# KiCad board badge.kicad_pcb
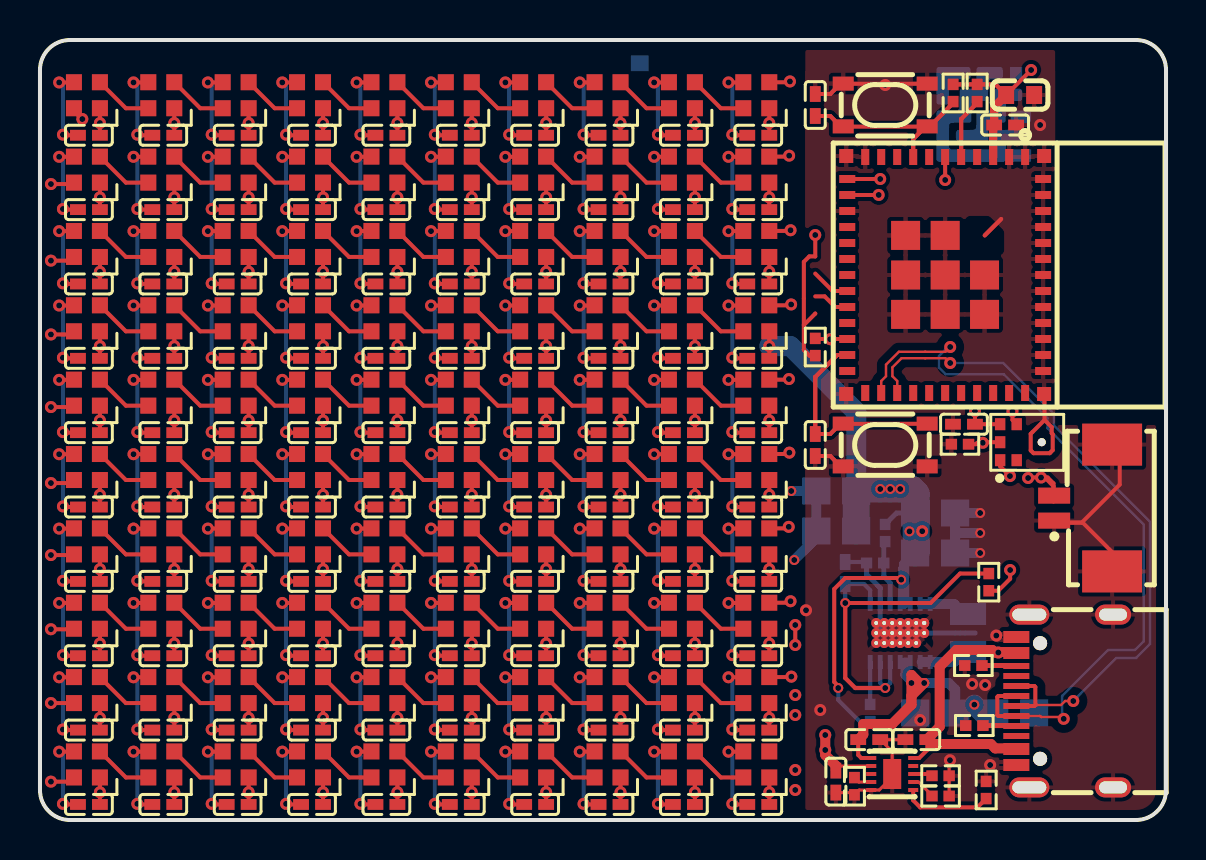
[diagram p0: board, top side]
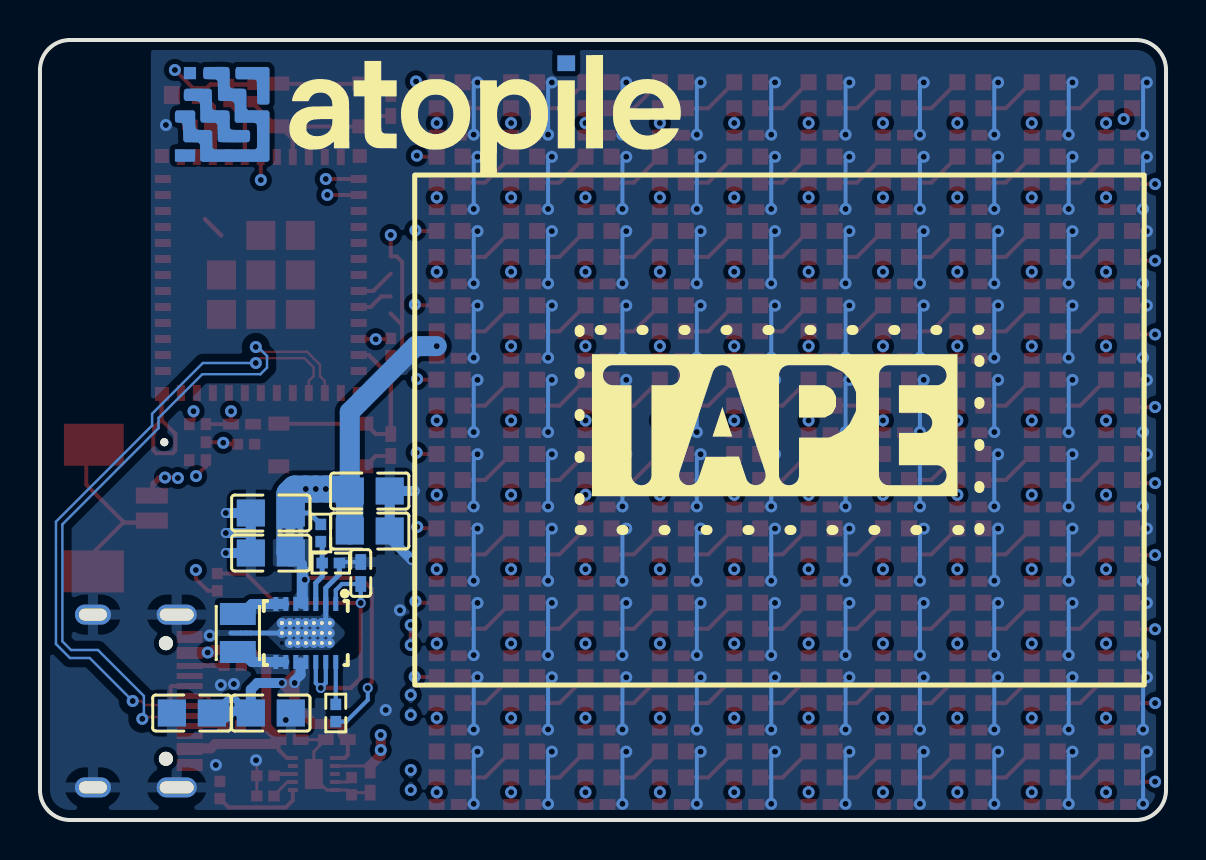
[diagram p1: board, bottom side, seen from below]

Outline 56.34 x 39 mm; copper layers: Top, In1.Cu, In2.Cu, Bottom. Coordinates in mm from the lower left corner of the outline.
Outline path: 0,37.5 arc(0.44,38.56) 1.5,39 54.84,39 arc(55.9,38.56) 56.34,37.5 56.34,1.5 arc(55.9,0.44) 54.84,0 1.5,0 arc(0.44,0.44) 0,1.5 0,37.5
Stack: Top 0.035mm / dielectric 0.1mm FR4 er 4.5 / In1.Cu 0.035mm / dielectric 1.24mm FR4 er 4.5 / In2.Cu 0.035mm / dielectric 0.1mm FR4 er 4.5 / Bottom 0.035mm

## Placement (name value [footprint] x y rotation side)
B1  -  [EEMB_BATTERY_LP402535]  19.34 19.5 270 bottom
C1  10µF ±10% 25V X5R  [C0805]  48.74 5.35 0 bottom
C2  10µF ±10% 25V X5R  [C0805]  44.79 5.35 180 bottom
C3  22µF ±20% 6.3V X5R  [C0805]  39.84 14.45 180 bottom
C4  22µF ±20% 6.3V X5R  [C0805]  39.84 16.45 180 bottom
C5  100nF ±10% 16V X7R  [C0402]  2.45 34.24 180 top
C6  100nF ±10% 16V X7R  [C0402]  6.17 34.24 180 top
C7  100nF ±10% 16V X7R  [C0402]  9.89 34.24 180 top
C8  100nF ±10% 16V X7R  [C0402]  13.61 34.24 180 top
C9  100nF ±10% 16V X7R  [C0402]  17.33 34.24 180 top
C10  100nF ±10% 16V X7R  [C0402]  21.05 34.24 180 top
C11  100nF ±10% 16V X7R  [C0402]  24.78 34.24 180 top
C12  100nF ±10% 16V X7R  [C0402]  28.5 34.24 180 top
C13  100nF ±10% 16V X7R  [C0402]  32.22 34.24 180 top
C14  100nF ±10% 16V X7R  [C0402]  35.94 34.24 180 top
C15  100nF ±10% 16V X7R  [C0402]  2.45 30.52 180 top
C16  100nF ±10% 16V X7R  [C0402]  6.17 30.52 180 top
C17  100nF ±10% 16V X7R  [C0402]  9.89 30.52 180 top
C18  100nF ±10% 16V X7R  [C0402]  13.61 30.52 180 top
C19  100nF ±10% 16V X7R  [C0402]  17.33 30.52 180 top
C20  100nF ±10% 16V X7R  [C0402]  21.05 30.52 180 top
C21  100nF ±10% 16V X7R  [C0402]  24.78 30.52 180 top
C22  100nF ±10% 16V X7R  [C0402]  28.5 30.52 180 top
C23  100nF ±10% 16V X7R  [C0402]  32.22 30.52 180 top
C24  100nF ±10% 16V X7R  [C0402]  35.94 30.52 180 top
C25  100nF ±10% 16V X7R  [C0402]  2.45 26.8 180 top
C26  100nF ±10% 16V X7R  [C0402]  6.17 26.8 180 top
C27  100nF ±10% 16V X7R  [C0402]  9.89 26.8 180 top
C28  100nF ±10% 16V X7R  [C0402]  13.61 26.8 180 top
C29  100nF ±10% 16V X7R  [C0402]  17.33 26.8 180 top
C30  100nF ±10% 16V X7R  [C0402]  21.05 26.8 180 top
C31  100nF ±10% 16V X7R  [C0402]  24.78 26.8 180 top
C32  100nF ±10% 16V X7R  [C0402]  28.5 26.8 180 top
C33  100nF ±10% 16V X7R  [C0402]  32.22 26.8 180 top
C34  100nF ±10% 16V X7R  [C0402]  35.94 26.8 180 top
C35  100nF ±10% 16V X7R  [C0402]  2.45 23.08 180 top
C36  100nF ±10% 16V X7R  [C0402]  6.17 23.08 180 top
C37  100nF ±10% 16V X7R  [C0402]  9.89 23.08 180 top
C38  100nF ±10% 16V X7R  [C0402]  13.61 23.08 180 top
C39  100nF ±10% 16V X7R  [C0402]  17.33 23.08 180 top
C40  100nF ±10% 16V X7R  [C0402]  21.05 23.08 180 top
C41  100nF ±10% 16V X7R  [C0402]  24.78 23.08 180 top
C42  100nF ±10% 16V X7R  [C0402]  28.5 23.08 180 top
C43  100nF ±10% 16V X7R  [C0402]  32.22 23.08 180 top
C44  100nF ±10% 16V X7R  [C0402]  35.94 23.08 180 top
C45  100nF ±10% 16V X7R  [C0402]  2.45 19.37 180 top
C46  100nF ±10% 16V X7R  [C0402]  6.17 19.37 180 top
C47  100nF ±10% 16V X7R  [C0402]  9.89 19.37 180 top
C48  100nF ±10% 16V X7R  [C0402]  13.61 19.37 180 top
C49  100nF ±10% 16V X7R  [C0402]  17.33 19.37 180 top
C50  100nF ±10% 16V X7R  [C0402]  21.05 19.37 180 top
C51  100nF ±10% 16V X7R  [C0402]  24.78 19.37 180 top
C52  100nF ±10% 16V X7R  [C0402]  28.5 19.37 180 top
C53  100nF ±10% 16V X7R  [C0402]  32.22 19.37 180 top
C54  100nF ±10% 16V X7R  [C0402]  35.94 19.37 180 top
C55  100nF ±10% 16V X7R  [C0402]  2.45 15.65 180 top
C56  100nF ±10% 16V X7R  [C0402]  6.17 15.65 180 top
C57  100nF ±10% 16V X7R  [C0402]  9.89 15.65 180 top
C58  100nF ±10% 16V X7R  [C0402]  13.61 15.65 180 top
C59  100nF ±10% 16V X7R  [C0402]  17.33 15.65 180 top
C60  100nF ±10% 16V X7R  [C0402]  21.05 15.65 180 top
C61  100nF ±10% 16V X7R  [C0402]  24.78 15.65 180 top
C62  100nF ±10% 16V X7R  [C0402]  28.5 15.65 180 top
C63  100nF ±10% 16V X7R  [C0402]  32.22 15.65 180 top
C64  100nF ±10% 16V X7R  [C0402]  35.94 15.65 180 top
C65  100nF ±10% 16V X7R  [C0402]  2.45 11.93 180 top
C66  100nF ±10% 16V X7R  [C0402]  6.17 11.93 180 top
C67  100nF ±10% 16V X7R  [C0402]  9.89 11.93 180 top
C68  100nF ±10% 16V X7R  [C0402]  13.61 11.93 180 top
C69  100nF ±10% 16V X7R  [C0402]  17.33 11.93 180 top
C70  100nF ±10% 16V X7R  [C0402]  21.05 11.93 180 top
C71  100nF ±10% 16V X7R  [C0402]  24.78 11.93 180 top
C72  100nF ±10% 16V X7R  [C0402]  28.5 11.93 180 top
C73  100nF ±10% 16V X7R  [C0402]  32.22 11.93 180 top
C74  100nF ±10% 16V X7R  [C0402]  35.94 11.93 180 top
C75  100nF ±10% 16V X7R  [C0402]  2.45 8.21 180 top
C76  100nF ±10% 16V X7R  [C0402]  6.17 8.21 180 top
C77  100nF ±10% 16V X7R  [C0402]  9.89 8.21 180 top
C78  100nF ±10% 16V X7R  [C0402]  13.61 8.21 180 top
C79  100nF ±10% 16V X7R  [C0402]  17.33 8.21 180 top
C80  100nF ±10% 16V X7R  [C0402]  21.05 8.21 180 top
C81  100nF ±10% 16V X7R  [C0402]  24.78 8.21 180 top
C82  100nF ±10% 16V X7R  [C0402]  28.5 8.21 180 top
C83  100nF ±10% 16V X7R  [C0402]  32.22 8.21 180 top
C84  100nF ±10% 16V X7R  [C0402]  35.94 8.21 180 top
C85  100nF ±10% 16V X7R  [C0402]  2.45 4.5 180 top
C86  100nF ±10% 16V X7R  [C0402]  6.17 4.5 180 top
C87  100nF ±10% 16V X7R  [C0402]  9.89 4.5 180 top
C88  100nF ±10% 16V X7R  [C0402]  13.61 4.5 180 top
C89  100nF ±10% 16V X7R  [C0402]  17.33 4.5 180 top
C90  100nF ±10% 16V X7R  [C0402]  21.05 4.5 180 top
C91  100nF ±10% 16V X7R  [C0402]  24.78 4.5 180 top
C92  100nF ±10% 16V X7R  [C0402]  28.5 4.5 180 top
C93  100nF ±10% 16V X7R  [C0402]  32.22 4.5 180 top
C94  100nF ±10% 16V X7R  [C0402]  35.94 4.5 180 top
C95  100nF ±10% 16V X7R  [C0402]  2.45 0.78 180 top
C96  100nF ±10% 16V X7R  [C0402]  6.17 0.78 180 top
C97  100nF ±10% 16V X7R  [C0402]  9.89 0.78 180 top
C98  100nF ±10% 16V X7R  [C0402]  13.61 0.78 180 top
C99  100nF ±10% 16V X7R  [C0402]  17.33 0.78 180 top
C100  100nF ±10% 16V X7R  [C0402]  21.05 0.78 180 top
C101  100nF ±10% 16V X7R  [C0402]  24.78 0.78 180 top
C102  100nF ±10% 16V X7R  [C0402]  28.5 0.78 180 top
C103  100nF ±10% 16V X7R  [C0402]  32.22 0.78 180 top
C104  100nF ±10% 16V X7R  [C0402]  35.94 0.78 180 top
C105  100nF ±10% 16V X7R  [C0402]  46.23 19.79 180 top
C106  100nF ±10% 16V X7R  [C0402]  38.79 18.75 90 top
C107  100nF ±10% 16V X7R  [C0402]  38.79 35.75 270 top
C108  22µF ±20% 6.3V X5R  [C0603]  49.04 36.25 0 top
C109  100nF ±10% 16V X7R  [C0402]  48.29 34.75 0 top
C110  22µF ±20% 6.3V X5R  [C0805]  44.79 15.35 0 bottom
C111  22µF ±20% 6.3V X5R  [C0805]  44.79 13.35 0 bottom
C112  100nF ±10% 16V X7R  [C0402]  40.29 12.35 90 bottom
C113  1µF ±10% 25V X5R  [C0402]  39.82 1.92 270 top
C114  1µF ±10% 25V X5R  [C0402]  43.85 4.02 180 top
C115  10µF ±20% 6.3V X5R  [C0402]  41.49 4.02 0 top
L1  -  [IND-SMD_L2.5-W2.0_WPN252012H]  46.44 9.35 90 bottom
LED1  -  [LED-SMD_4P-L2.0-W2.0-BR]  2.35 36.24 0 top
LED2  -  [LED-SMD_4P-L2.0-W2.0-BR]  6.07 36.24 0 top
LED3  -  [LED-SMD_4P-L2.0-W2.0-BR]  9.79 36.24 0 top
LED4  -  [LED-SMD_4P-L2.0-W2.0-BR]  13.51 36.24 0 top
LED5  -  [LED-SMD_4P-L2.0-W2.0-BR]  17.23 36.24 0 top
LED6  -  [LED-SMD_4P-L2.0-W2.0-BR]  20.95 36.24 0 top
LED7  -  [LED-SMD_4P-L2.0-W2.0-BR]  24.68 36.24 0 top
LED8  -  [LED-SMD_4P-L2.0-W2.0-BR]  28.4 36.24 0 top
LED9  -  [LED-SMD_4P-L2.0-W2.0-BR]  32.12 36.24 0 top
LED10  -  [LED-SMD_4P-L2.0-W2.0-BR]  35.84 36.24 0 top
LED11  -  [LED-SMD_4P-L2.0-W2.0-BR]  2.35 32.52 0 top
LED12  -  [LED-SMD_4P-L2.0-W2.0-BR]  6.07 32.52 0 top
LED13  -  [LED-SMD_4P-L2.0-W2.0-BR]  9.79 32.52 0 top
LED14  -  [LED-SMD_4P-L2.0-W2.0-BR]  13.51 32.52 0 top
LED15  -  [LED-SMD_4P-L2.0-W2.0-BR]  17.23 32.52 0 top
LED16  -  [LED-SMD_4P-L2.0-W2.0-BR]  20.95 32.52 0 top
LED17  -  [LED-SMD_4P-L2.0-W2.0-BR]  24.68 32.52 0 top
LED18  -  [LED-SMD_4P-L2.0-W2.0-BR]  28.4 32.52 0 top
LED19  -  [LED-SMD_4P-L2.0-W2.0-BR]  32.12 32.52 0 top
LED20  -  [LED-SMD_4P-L2.0-W2.0-BR]  35.84 32.52 0 top
LED21  -  [LED-SMD_4P-L2.0-W2.0-BR]  2.35 28.8 0 top
LED22  -  [LED-SMD_4P-L2.0-W2.0-BR]  6.07 28.8 0 top
LED23  -  [LED-SMD_4P-L2.0-W2.0-BR]  9.79 28.8 0 top
LED24  -  [LED-SMD_4P-L2.0-W2.0-BR]  13.51 28.8 0 top
LED25  -  [LED-SMD_4P-L2.0-W2.0-BR]  17.23 28.8 0 top
LED26  -  [LED-SMD_4P-L2.0-W2.0-BR]  20.95 28.8 0 top
LED27  -  [LED-SMD_4P-L2.0-W2.0-BR]  24.68 28.8 0 top
LED28  -  [LED-SMD_4P-L2.0-W2.0-BR]  28.4 28.8 0 top
LED29  -  [LED-SMD_4P-L2.0-W2.0-BR]  32.12 28.8 0 top
LED30  -  [LED-SMD_4P-L2.0-W2.0-BR]  35.84 28.8 0 top
LED31  -  [LED-SMD_4P-L2.0-W2.0-BR]  2.35 25.08 0 top
LED32  -  [LED-SMD_4P-L2.0-W2.0-BR]  6.07 25.08 0 top
LED33  -  [LED-SMD_4P-L2.0-W2.0-BR]  9.79 25.08 0 top
LED34  -  [LED-SMD_4P-L2.0-W2.0-BR]  13.51 25.08 0 top
LED35  -  [LED-SMD_4P-L2.0-W2.0-BR]  17.23 25.08 0 top
LED36  -  [LED-SMD_4P-L2.0-W2.0-BR]  20.95 25.08 0 top
LED37  -  [LED-SMD_4P-L2.0-W2.0-BR]  24.68 25.08 0 top
LED38  -  [LED-SMD_4P-L2.0-W2.0-BR]  28.4 25.08 0 top
LED39  -  [LED-SMD_4P-L2.0-W2.0-BR]  32.12 25.08 0 top
LED40  -  [LED-SMD_4P-L2.0-W2.0-BR]  35.84 25.08 0 top
LED41  -  [LED-SMD_4P-L2.0-W2.0-BR]  2.35 21.37 0 top
LED42  -  [LED-SMD_4P-L2.0-W2.0-BR]  6.07 21.37 0 top
LED43  -  [LED-SMD_4P-L2.0-W2.0-BR]  9.79 21.37 0 top
LED44  -  [LED-SMD_4P-L2.0-W2.0-BR]  13.51 21.37 0 top
LED45  -  [LED-SMD_4P-L2.0-W2.0-BR]  17.23 21.37 0 top
LED46  -  [LED-SMD_4P-L2.0-W2.0-BR]  20.95 21.37 0 top
LED47  -  [LED-SMD_4P-L2.0-W2.0-BR]  24.68 21.37 0 top
LED48  -  [LED-SMD_4P-L2.0-W2.0-BR]  28.4 21.37 0 top
LED49  -  [LED-SMD_4P-L2.0-W2.0-BR]  32.12 21.37 0 top
LED50  -  [LED-SMD_4P-L2.0-W2.0-BR]  35.84 21.37 0 top
LED51  -  [LED-SMD_4P-L2.0-W2.0-BR]  2.35 17.65 0 top
LED52  -  [LED-SMD_4P-L2.0-W2.0-BR]  6.07 17.65 0 top
LED53  -  [LED-SMD_4P-L2.0-W2.0-BR]  9.79 17.65 0 top
LED54  -  [LED-SMD_4P-L2.0-W2.0-BR]  13.51 17.65 0 top
LED55  -  [LED-SMD_4P-L2.0-W2.0-BR]  17.23 17.65 0 top
LED56  -  [LED-SMD_4P-L2.0-W2.0-BR]  20.95 17.65 0 top
LED57  -  [LED-SMD_4P-L2.0-W2.0-BR]  24.68 17.65 0 top
LED58  -  [LED-SMD_4P-L2.0-W2.0-BR]  28.4 17.65 0 top
LED59  -  [LED-SMD_4P-L2.0-W2.0-BR]  32.12 17.65 0 top
LED60  -  [LED-SMD_4P-L2.0-W2.0-BR]  35.84 17.65 0 top
LED61  -  [LED-SMD_4P-L2.0-W2.0-BR]  2.35 13.93 0 top
LED62  -  [LED-SMD_4P-L2.0-W2.0-BR]  6.07 13.93 0 top
LED63  -  [LED-SMD_4P-L2.0-W2.0-BR]  9.79 13.93 0 top
LED64  -  [LED-SMD_4P-L2.0-W2.0-BR]  13.51 13.93 0 top
LED65  -  [LED-SMD_4P-L2.0-W2.0-BR]  17.23 13.93 0 top
LED66  -  [LED-SMD_4P-L2.0-W2.0-BR]  20.95 13.93 0 top
LED67  -  [LED-SMD_4P-L2.0-W2.0-BR]  24.68 13.93 0 top
LED68  -  [LED-SMD_4P-L2.0-W2.0-BR]  28.4 13.93 0 top
LED69  -  [LED-SMD_4P-L2.0-W2.0-BR]  32.12 13.93 0 top
LED70  -  [LED-SMD_4P-L2.0-W2.0-BR]  35.84 13.93 0 top
LED71  -  [LED-SMD_4P-L2.0-W2.0-BR]  2.35 10.21 0 top
LED72  -  [LED-SMD_4P-L2.0-W2.0-BR]  6.07 10.21 0 top
LED73  -  [LED-SMD_4P-L2.0-W2.0-BR]  9.79 10.21 0 top
LED74  -  [LED-SMD_4P-L2.0-W2.0-BR]  13.51 10.21 0 top
LED75  -  [LED-SMD_4P-L2.0-W2.0-BR]  17.23 10.21 0 top
LED76  -  [LED-SMD_4P-L2.0-W2.0-BR]  20.95 10.21 0 top
LED77  -  [LED-SMD_4P-L2.0-W2.0-BR]  24.68 10.21 0 top
LED78  -  [LED-SMD_4P-L2.0-W2.0-BR]  28.4 10.21 0 top
LED79  -  [LED-SMD_4P-L2.0-W2.0-BR]  32.12 10.21 0 top
LED80  -  [LED-SMD_4P-L2.0-W2.0-BR]  35.84 10.21 0 top
LED81  -  [LED-SMD_4P-L2.0-W2.0-BR]  2.35 6.5 0 top
LED82  -  [LED-SMD_4P-L2.0-W2.0-BR]  6.07 6.5 0 top
LED83  -  [LED-SMD_4P-L2.0-W2.0-BR]  9.79 6.5 0 top
LED84  -  [LED-SMD_4P-L2.0-W2.0-BR]  13.51 6.5 0 top
LED85  -  [LED-SMD_4P-L2.0-W2.0-BR]  17.23 6.5 0 top
LED86  -  [LED-SMD_4P-L2.0-W2.0-BR]  20.95 6.5 0 top
LED87  -  [LED-SMD_4P-L2.0-W2.0-BR]  24.68 6.5 0 top
LED88  -  [LED-SMD_4P-L2.0-W2.0-BR]  28.4 6.5 0 top
LED89  -  [LED-SMD_4P-L2.0-W2.0-BR]  32.12 6.5 0 top
LED90  -  [LED-SMD_4P-L2.0-W2.0-BR]  35.84 6.5 0 top
LED91  -  [LED-SMD_4P-L2.0-W2.0-BR]  2.35 2.78 0 top
LED92  -  [LED-SMD_4P-L2.0-W2.0-BR]  6.07 2.78 0 top
LED93  -  [LED-SMD_4P-L2.0-W2.0-BR]  9.79 2.78 0 top
LED94  -  [LED-SMD_4P-L2.0-W2.0-BR]  13.51 2.78 0 top
LED95  -  [LED-SMD_4P-L2.0-W2.0-BR]  17.23 2.78 0 top
LED96  -  [LED-SMD_4P-L2.0-W2.0-BR]  20.95 2.78 0 top
LED97  -  [LED-SMD_4P-L2.0-W2.0-BR]  24.68 2.78 0 top
LED98  -  [LED-SMD_4P-L2.0-W2.0-BR]  28.4 2.78 0 top
LED99  -  [LED-SMD_4P-L2.0-W2.0-BR]  32.12 2.78 0 top
LED100  -  [LED-SMD_4P-L2.0-W2.0-BR]  35.84 2.78 0 top
LOGO1  -  [atopile_Logo_25x6mm]  36.94 35.25 180 bottom
R1  200kΩ ±1% 62.5mW  [R0402]  41.79 12.85 180 bottom
R2  1MΩ ±1% 62.5mW  [R0402]  42.29 14.35 270 bottom
R3  1MΩ ±1% 62.5mW  [R0402]  41.54 5.35 270 bottom
R4  2kΩ ±1% 62.5mW  [R0402]  45.06 2.21 0 top
R5  100kΩ ±1% 62.5mW  [R0402]  46.03 18.79 180 top
R6  10kΩ ±1% 62.5mW  [R0402]  47.47 11.89 270 top
R7  10kΩ ±1% 62.5mW  [R0402]  46.89 36.35 90 top
R8  10kΩ ±1% 62.5mW  [R0402]  38.79 23.65 270 top
R9  4.7kΩ ±1% 62.5mW  [R0402]  46.75 4.72 180 top
R10  4.7kΩ ±1% 62.5mW  [R0402]  46.7 7.72 180 top
R11  10kΩ ±1% 62.5mW  [R0402]  40.75 1.69 270 top
R12  18kΩ ±1% 62.5mW  [R0402]  45.06 1.2 0 top
R13  10kΩ ±1% 62.5mW  [R0402]  47.34 1.5 90 top
R15  10kΩ ±1% 62.5mW  [R0402]  45.69 36.35 270 top
SW1  -  [KEY-SMD_4P-L4.2-W3.2-P2.20-LS4.6]  42.29 18.75 180 top
SW2  -  [KEY-SMD_4P-L4.2-W3.2-P2.20-LS4.6]  42.29 35.75 0 top
U2  -  [CONN-SMD_532610271]  52.19 15.6 270 top
U3  -  [MIC-SMD_6P-L3.5-W2.7-P0.90-BL]  49.33 18.89 0 top
U4  -  [WIFIM-SMD_ESP32-C3-MINI-1]  45.29 27.25 270 top
U5  -  [WSON-10_L2.2-W2.0-P0.40-BL-EP_TI_DLH0010A]  42.64 2.3 270 top
U6  -  [VSON-14_L4.0-W3.0-P0.50-BL-EP_TI_DSJ]  43.04 9.35 0 bottom
USB1  -  [USB-C-SMD_KH-TYPE-C-16P]  51.27 5.95 90 top

## Library data of the parts
B1 = -: __atopile_lib_fp_hash__: 57167b84-b4ca-22cf-25a6-18192b5f4c2d; atopile_address: battery.model.package; atopile_subaddresses: [.ato/modules/atopile/batteries/layouts/default/default.kicad_pcb:model.package]
C1 = -: Datasheet: https://www.lcsc.com/datasheet/lcsc_datasheet_2304140030_Samsung-Electro-Mechanics-CL21A106KAYNNNE_C15850.pdf; __atopile_lib_fp_hash__: dc1cf5b1-6ace-5257-12d4-9b55b79086af; LCSC: C15850; Manufacturer: Samsung Electro-Mechanics; Partnumber: CL21A106KAYNNNE; PARAM_capacitance: {"type": "Quantity_Interval_Disjoint", "data": {"intervals": {"type": "Numeric_Interval_Disjoint", "data": {"intervals": [{"type": "Numeric_Interval", "data": {"min": 8.999999985e-06, "max": 1.1000000015e-05}}]}}, "unit": "farad"}}; PARAM_max_voltage: {"type": "Quantity_Set_Discrete", "data": {"intervals": {"type": "Numeric_Interval_Disjoint", "data": {"intervals": [{"type": "Numeric_Interval", "data": {"min": 25.0, "max": 25.0}}]}}, "unit": "volt"}}; PARAM_temperature_coefficient: {"type": "EnumSet", "data": {"elements": [{"name": "X5R"}], "enum": {"name": "TemperatureCoefficient", "values": {"Y5V": 1, "Z5U": 2, "X7S": 3, "X5R": 4, "X6R": 5, "X7R": 6, "X8R": 7, "C0G": 8}}}}; atopile_address: buck_boost.input_decoupling_capacitor[0]; atopile_subaddresses: [.ato/modules/atopile/ti-tps63020/layouts/default/default.kicad_pcb:input_decoupling_capacitor[0]]
C2 = -: Datasheet: https://www.lcsc.com/datasheet/lcsc_datasheet_2304140030_Samsung-Electro-Mechanics-CL21A106KAYNNNE_C15850.pdf; __atopile_lib_fp_hash__: dc1cf5b1-6ace-5257-12d4-9b55b79086af; LCSC: C15850; Manufacturer: Samsung Electro-Mechanics; Partnumber: CL21A106KAYNNNE; PARAM_capacitance: {"type": "Quantity_Interval_Disjoint", "data": {"intervals": {"type": "Numeric_Interval_Disjoint", "data": {"intervals": [{"type": "Numeric_Interval", "data": {"min": 8.999999985e-06, "max": 1.1000000015e-05}}]}}, "unit": "farad"}}; PARAM_max_voltage: {"type": "Quantity_Set_Discrete", "data": {"intervals": {"type": "Numeric_Interval_Disjoint", "data": {"intervals": [{"type": "Numeric_Interval", "data": {"min": 25.0, "max": 25.0}}]}}, "unit": "volt"}}; PARAM_temperature_coefficient: {"type": "EnumSet", "data": {"elements": [{"name": "X5R"}], "enum": {"name": "TemperatureCoefficient", "values": {"Y5V": 1, "Z5U": 2, "X7S": 3, "X5R": 4, "X6R": 5, "X7R": 6, "X8R": 7, "C0G": 8}}}}; atopile_address: buck_boost.input_decoupling_capacitor[1]; atopile_subaddresses: [.ato/modules/atopile/ti-tps63020/layouts/default/default.kicad_pcb:input_decoupling_capacitor[1]]
C3 = -: Datasheet: https://www.lcsc.com/datasheet/lcsc_datasheet_2304140030_Samsung-Electro-Mechanics-CL21A226MQQNNNE_C5674.pdf; __atopile_lib_fp_hash__: 095fca2b-af56-e759-26e7-04466991704b; LCSC: C5674; Manufacturer: Samsung Electro-Mechanics; Partnumber: CL21A226MQQNNNE; PARAM_capacitance: {"type": "Quantity_Interval_Disjoint", "data": {"intervals": {"type": "Numeric_Interval_Disjoint", "data": {"intervals": [{"type": "Numeric_Interval", "data": {"min": 1.7599999934e-05, "max": 2.6400000066e-05}}]}}, "unit": "farad"}}; PARAM_max_voltage: {"type": "Quantity_Set_Discrete", "data": {"intervals": {"type": "Numeric_Interval_Disjoint", "data": {"intervals": [{"type": "Numeric_Interval", "data": {"min": 6.3, "max": 6.3}}]}}, "unit": "volt"}}; PARAM_temperature_coefficient: {"type": "EnumSet", "data": {"elements": [{"name": "X5R"}], "enum": {"name": "TemperatureCoefficient", "values": {"Y5V": 1, "Z5U": 2, "X7S": 3, "X5R": 4, "X6R": 5, "X7R": 6, "X8R": 7, "C0G": 8}}}}; atopile_address: buck_boost.output_decoupling_capacitor[0]; atopile_subaddresses: [.ato/modules/atopile/ti-tps63020/layouts/default/default.kicad_pcb:output_decoupling_capacitor[0]]
C4 = -: Datasheet: https://www.lcsc.com/datasheet/lcsc_datasheet_2304140030_Samsung-Electro-Mechanics-CL21A226MQQNNNE_C5674.pdf; __atopile_lib_fp_hash__: 095fca2b-af56-e759-26e7-04466991704b; LCSC: C5674; Manufacturer: Samsung Electro-Mechanics; Partnumber: CL21A226MQQNNNE; PARAM_capacitance: {"type": "Quantity_Interval_Disjoint", "data": {"intervals": {"type": "Numeric_Interval_Disjoint", "data": {"intervals": [{"type": "Numeric_Interval", "data": {"min": 1.7599999934e-05, "max": 2.6400000066e-05}}]}}, "unit": "farad"}}; PARAM_max_voltage: {"type": "Quantity_Set_Discrete", "data": {"intervals": {"type": "Numeric_Interval_Disjoint", "data": {"intervals": [{"type": "Numeric_Interval", "data": {"min": 6.3, "max": 6.3}}]}}, "unit": "volt"}}; PARAM_temperature_coefficient: {"type": "EnumSet", "data": {"elements": [{"name": "X5R"}], "enum": {"name": "TemperatureCoefficient", "values": {"Y5V": 1, "Z5U": 2, "X7S": 3, "X5R": 4, "X6R": 5, "X7R": 6, "X8R": 7, "C0G": 8}}}}; atopile_address: buck_boost.output_decoupling_capacitor[1]; atopile_subaddresses: [.ato/modules/atopile/ti-tps63020/layouts/default/default.kicad_pcb:output_decoupling_capacitor[1]]
C5 = -: Datasheet: https://www.lcsc.com/datasheet/lcsc_datasheet_2304140030_Samsung-Electro-Mechanics-CL05B104KO5NNNC_C1525.pdf; __atopile_lib_fp_hash__: f8a97365-7255-729e-24e5-6102db053d76; LCSC: C1525; Manufacturer: Samsung Electro-Mechanics; Partnumber: CL05B104KO5NNNC; PARAM_capacitance: {"type": "Quantity_Interval_Disjoint", "data": {"intervals": {"type": "Numeric_Interval_Disjoint", "data": {"intervals": [{"type": "Numeric_Interval", "data": {"min": 9e-08, "max": 1.1e-07}}]}}, "unit": "farad"}}; PARAM_max_voltage: {"type": "Quantity_Set_Discrete", "data": {"intervals": {"type": "Numeric_Interval_Disjoint", "data": {"intervals": [{"type": "Numeric_Interval", "data": {"min": 16.0, "max": 16.0}}]}}, "unit": "volt"}}; PARAM_temperature_coefficient: {"type": "EnumSet", "data": {"elements": [{"name": "X7R"}], "enum": {"name": "TemperatureCoefficient", "values": {"Y5V": 1, "Z5U": 2, "X7S": 3, "X5R": 4, "X6R": 5, "X7R": 6, "X8R": 7, "C0G": 8}}}}; atopile_address: led_grid.rows[0].leds[0].cap; atopile_subaddresses: [.ato/modules/atopile/addressable-leds/layouts/default/default.kicad_pcb:cap, layouts/grid10x10/grid10x10.kicad_pcb:rows[0].leds[0].cap, layouts/strip10/strip10.kicad_pcb:leds[0].cap]
C6 = -: Datasheet: https://www.lcsc.com/datasheet/lcsc_datasheet_2304140030_Samsung-Electro-Mechanics-CL05B104KO5NNNC_C1525.pdf; __atopile_lib_fp_hash__: f8a97365-7255-729e-24e5-6102db053d76; LCSC: C1525; Manufacturer: Samsung Electro-Mechanics; Partnumber: CL05B104KO5NNNC; PARAM_capacitance: {"type": "Quantity_Interval_Disjoint", "data": {"intervals": {"type": "Numeric_Interval_Disjoint", "data": {"intervals": [{"type": "Numeric_Interval", "data": {"min": 9e-08, "max": 1.1e-07}}]}}, "unit": "farad"}}; PARAM_max_voltage: {"type": "Quantity_Set_Discrete", "data": {"intervals": {"type": "Numeric_Interval_Disjoint", "data": {"intervals": [{"type": "Numeric_Interval", "data": {"min": 16.0, "max": 16.0}}]}}, "unit": "volt"}}; PARAM_temperature_coefficient: {"type": "EnumSet", "data": {"elements": [{"name": "X7R"}], "enum": {"name": "TemperatureCoefficient", "values": {"Y5V": 1, "Z5U": 2, "X7S": 3, "X5R": 4, "X6R": 5, "X7R": 6, "X8R": 7, "C0G": 8}}}}; atopile_address: led_grid.rows[0].leds[1].cap; atopile_subaddresses: [.ato/modules/atopile/addressable-leds/layouts/default/default.kicad_pcb:cap, layouts/grid10x10/grid10x10.kicad_pcb:rows[0].leds[1].cap, layouts/strip10/strip10.kicad_pcb:leds[1].cap]
C7 = -: Datasheet: https://www.lcsc.com/datasheet/lcsc_datasheet_2304140030_Samsung-Electro-Mechanics-CL05B104KO5NNNC_C1525.pdf; __atopile_lib_fp_hash__: f8a97365-7255-729e-24e5-6102db053d76; LCSC: C1525; Manufacturer: Samsung Electro-Mechanics; Partnumber: CL05B104KO5NNNC; PARAM_capacitance: {"type": "Quantity_Interval_Disjoint", "data": {"intervals": {"type": "Numeric_Interval_Disjoint", "data": {"intervals": [{"type": "Numeric_Interval", "data": {"min": 9e-08, "max": 1.1e-07}}]}}, "unit": "farad"}}; PARAM_max_voltage: {"type": "Quantity_Set_Discrete", "data": {"intervals": {"type": "Numeric_Interval_Disjoint", "data": {"intervals": [{"type": "Numeric_Interval", "data": {"min": 16.0, "max": 16.0}}]}}, "unit": "volt"}}; PARAM_temperature_coefficient: {"type": "EnumSet", "data": {"elements": [{"name": "X7R"}], "enum": {"name": "TemperatureCoefficient", "values": {"Y5V": 1, "Z5U": 2, "X7S": 3, "X5R": 4, "X6R": 5, "X7R": 6, "X8R": 7, "C0G": 8}}}}; atopile_address: led_grid.rows[0].leds[2].cap; atopile_subaddresses: [.ato/modules/atopile/addressable-leds/layouts/default/default.kicad_pcb:cap, layouts/grid10x10/grid10x10.kicad_pcb:rows[0].leds[2].cap, layouts/strip10/strip10.kicad_pcb:leds[2].cap]
C8 = -: Datasheet: https://www.lcsc.com/datasheet/lcsc_datasheet_2304140030_Samsung-Electro-Mechanics-CL05B104KO5NNNC_C1525.pdf; __atopile_lib_fp_hash__: f8a97365-7255-729e-24e5-6102db053d76; LCSC: C1525; Manufacturer: Samsung Electro-Mechanics; Partnumber: CL05B104KO5NNNC; PARAM_capacitance: {"type": "Quantity_Interval_Disjoint", "data": {"intervals": {"type": "Numeric_Interval_Disjoint", "data": {"intervals": [{"type": "Numeric_Interval", "data": {"min": 9e-08, "max": 1.1e-07}}]}}, "unit": "farad"}}; PARAM_max_voltage: {"type": "Quantity_Set_Discrete", "data": {"intervals": {"type": "Numeric_Interval_Disjoint", "data": {"intervals": [{"type": "Numeric_Interval", "data": {"min": 16.0, "max": 16.0}}]}}, "unit": "volt"}}; PARAM_temperature_coefficient: {"type": "EnumSet", "data": {"elements": [{"name": "X7R"}], "enum": {"name": "TemperatureCoefficient", "values": {"Y5V": 1, "Z5U": 2, "X7S": 3, "X5R": 4, "X6R": 5, "X7R": 6, "X8R": 7, "C0G": 8}}}}; atopile_address: led_grid.rows[0].leds[3].cap; atopile_subaddresses: [.ato/modules/atopile/addressable-leds/layouts/default/default.kicad_pcb:cap, layouts/grid10x10/grid10x10.kicad_pcb:rows[0].leds[3].cap, layouts/strip10/strip10.kicad_pcb:leds[3].cap]